# Altium PCB MCP_v2.PcbDoc
Units mil, origin at the board's own origin, x right, y up, seen from the top; angles counter-clockwise.
Board outline 4911.61 x 2569.09 mil, 2 copper layers (Top Layer, Bottom Layer); 91 components, 76 nets, 528 pads, 91 vias.
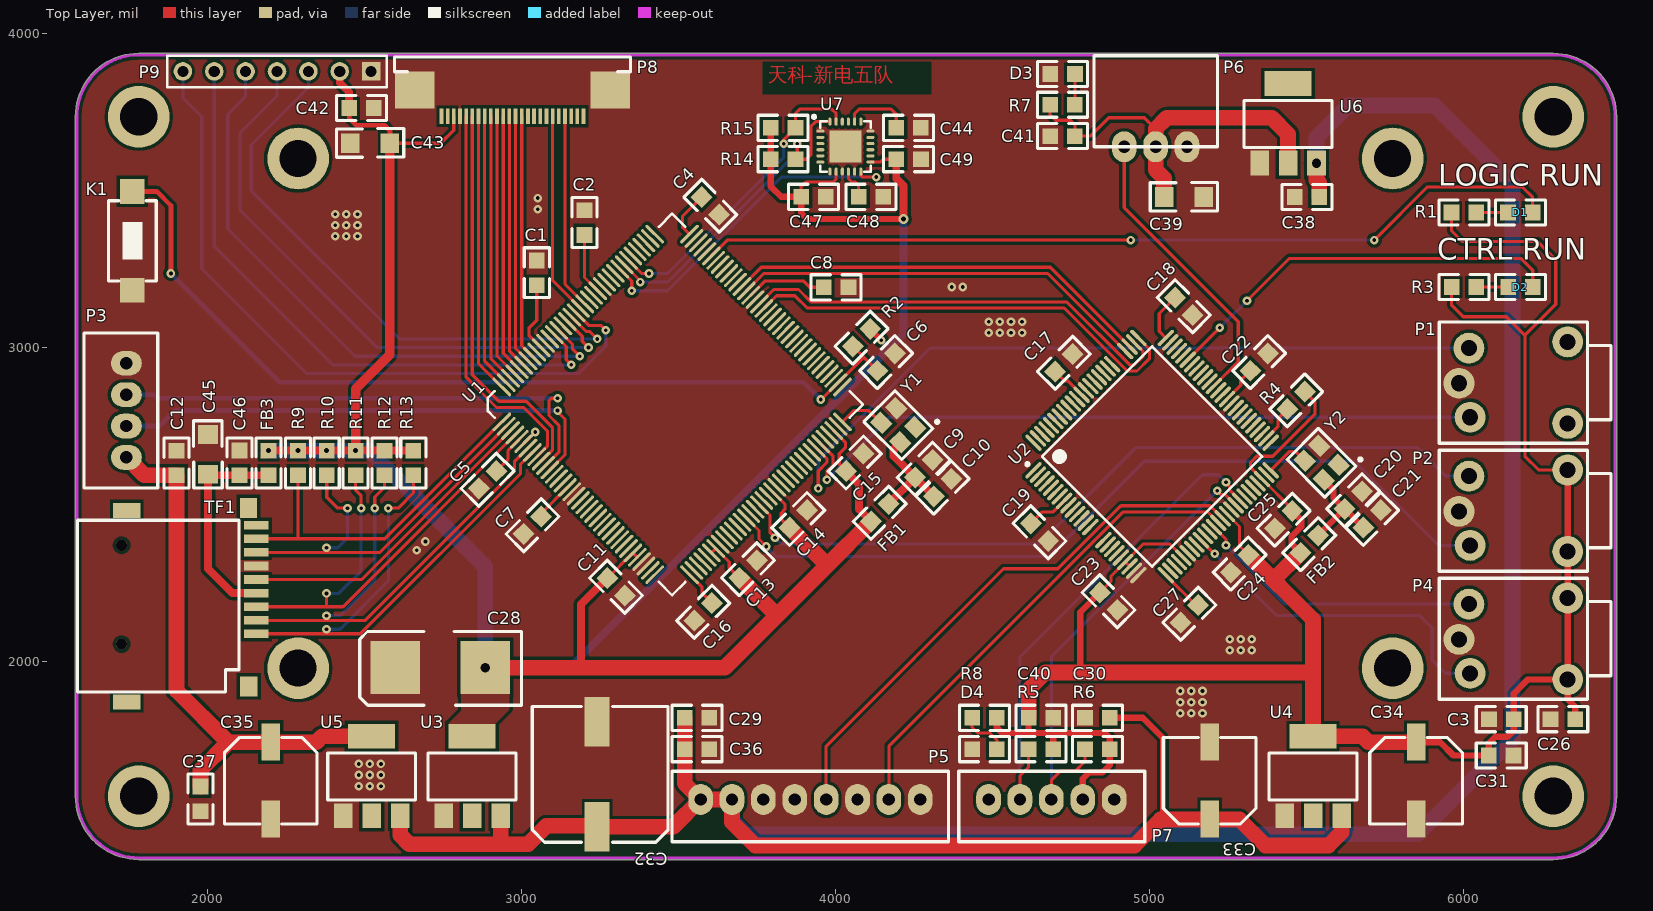
[diagram p0: Top Layer view]
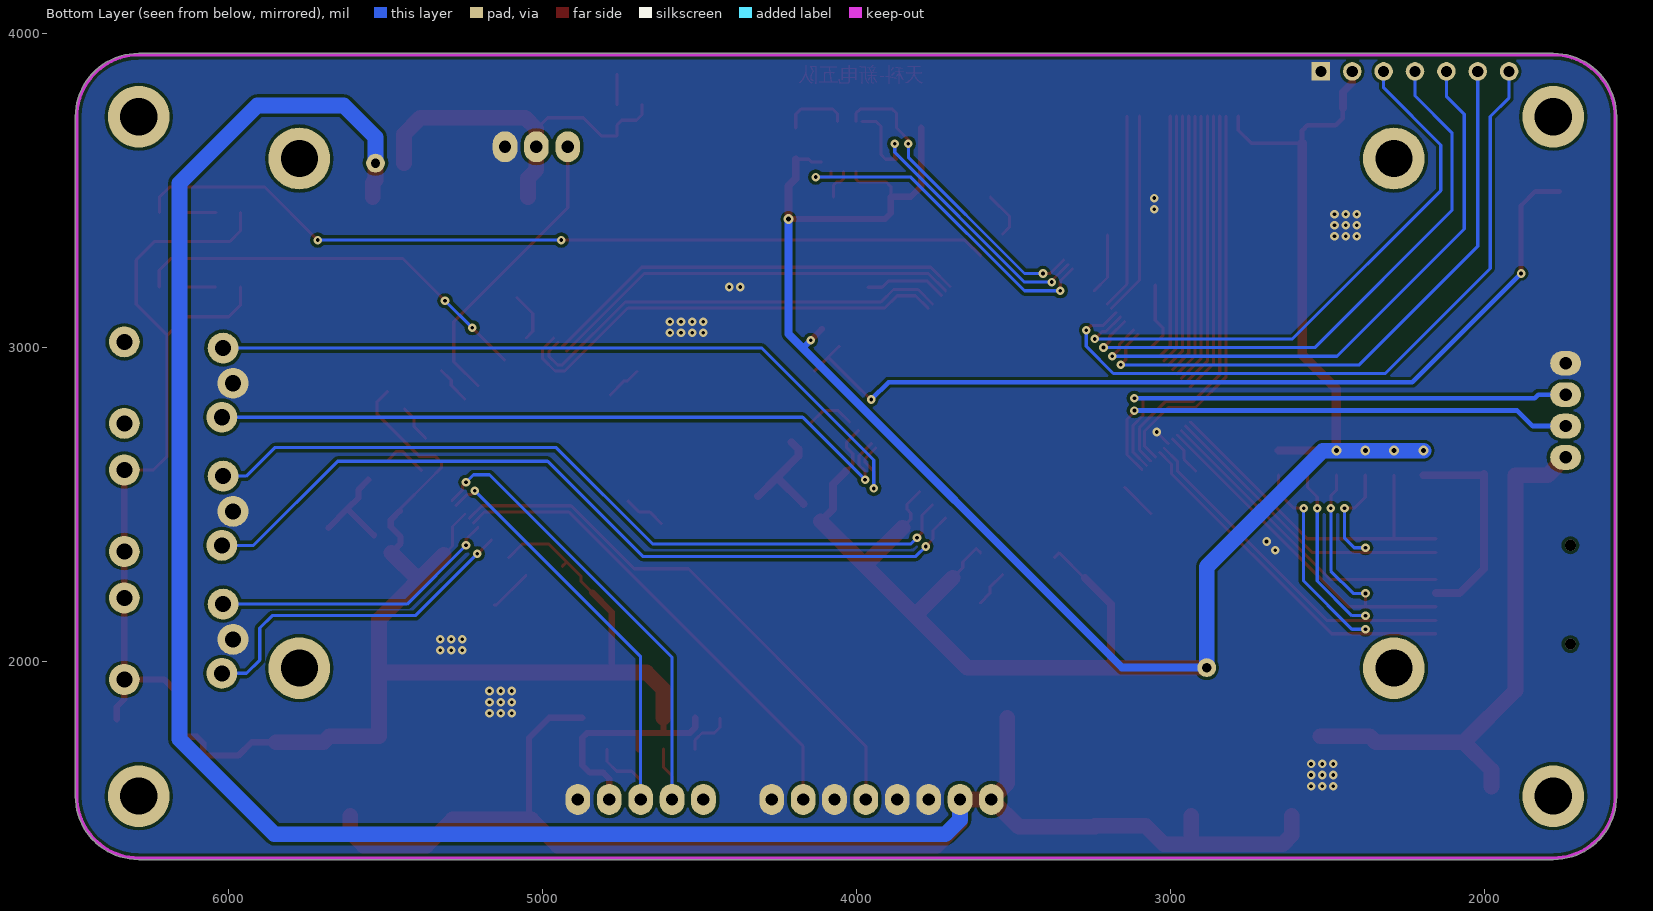
[diagram p1: Bottom Layer view, seen from below]
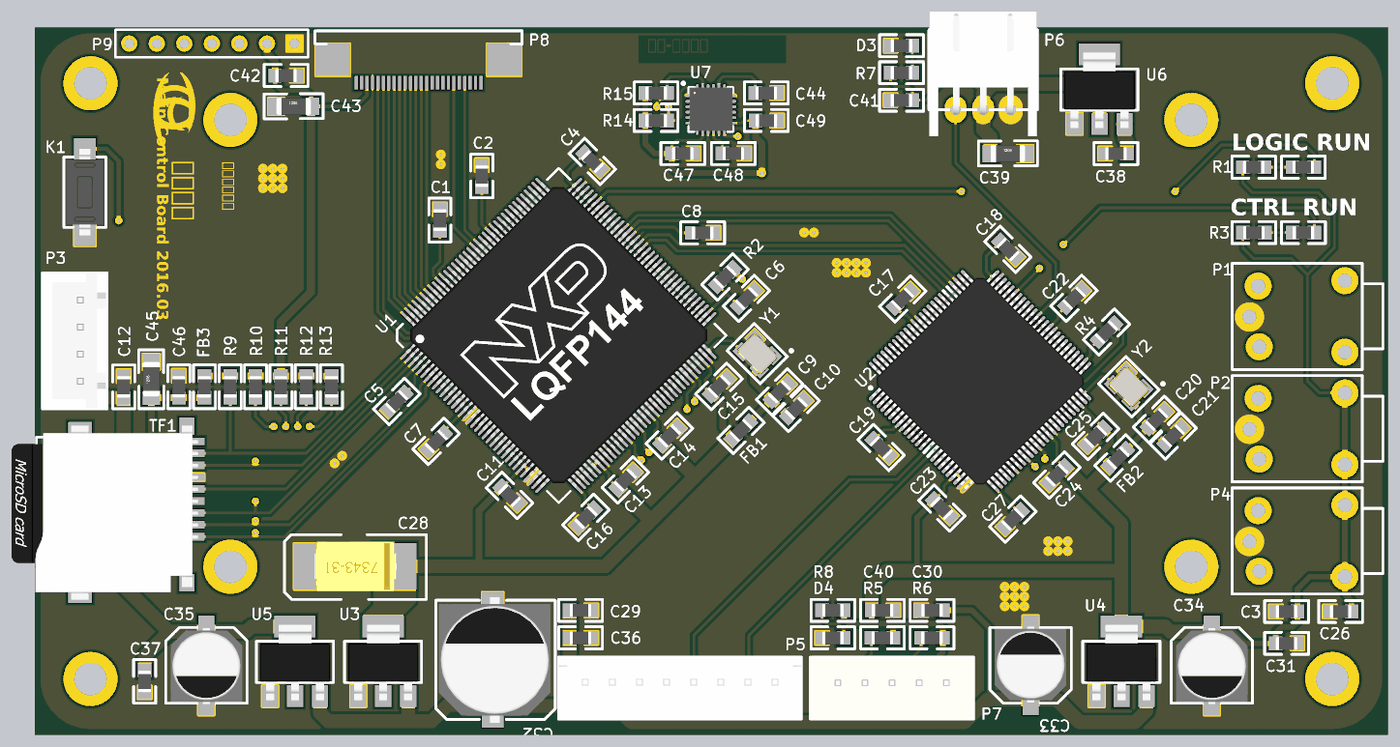
[diagram p2: 3D render of the assembled board from above, using the file's embedded part models]

## Layer stack, top to bottom
Top Layer: signal copper 1.4
Dielectric: dielectric 12.6, FR-4, Dk 4.8
Bottom Layer: signal copper 1.4

## Board outline
1577.5,1570.27 cw(c1582.52,1570.27) 1577.5,1570.38 1577.5,3735.63 cw(c1779.37,3735.63) 1779.37,3937.5 cw(c1779.37,3932.48) 1779.48,3937.49 6287.24,3937.49 6287.24,3937.5 cw(c6287.24,3735.63) 6489.11,3735.63 cw(c6484.09,3735.63) 6489.11,3735.56 6489.11,1570.28 6489.11,1570.27 ccw(c6484.09,1570.27) 6489.11,1570.34 6489.11,1570.27 cw(c6287.24,1570.27) 6287.24,1368.41 cw(c6287.24,1373.42) 6287.14,1368.41 1779.37,1368.41 cw(c1779.37,1570.27)

## Design rules (kind name [scope] priority, off if disabled: settings)
Clearance [All] p1: gap=6
HoleSize [All] p1: absolutevalues=TRUE maxlimit=196.85 minlimit=1 maxpercent=80.000 minpercent=20.000
MinimumSolderMaskSliver [All] p1: minsoldermaskwidth=0
PolygonConnect [All] p1: connectstyle=Direct reliefconductorwidth=10 reliefentries=4 polygonreliefangle="90 Angle"
RoutingVias [All] p1: holewidth=28 width=50 viastyle="Through Hole" minholewidth=28 minwidth=50 maxholewidth=28 maxwidth=50
SilkToSilkClearance [All] p1: silktosilkclearance=6
SilkscreenOverComponentPads [All] p1: minsilkscreentomaskgap=0
SolderMaskExpansion [All] p1: expansion=4
Width [All] p1: maxlimit=100 minlimit=10 preferedwidth=15 minimp=50.000000 maximp=50.000000 favimp=50.000000
24 further rules are at their usual default settings.

## Classes and differential pairs
component class POWER_MOD: C28 C29 C30 C31 C32 C33 C34 C35 C36 C37 C38 C39 L1 U3 U4 U5 U6
component class K60FN_LQFP144: C1 C2 C3 C4 C5 C6 C7 C8 C9 C10 C11 C12 C13 C14 C15 C16 D1 FB1 K1 P1 P2 P3 R1 R2 U1 Y1
component class K60DN_LQFP100: C17 C18 C19 C20 C21 C22 C23 C24 C25 C26 C27 D2 FB2 P4 R3 R4 U2 Y2
component class Pins: C39 C41 C42 C43 C44 C45 C46 C47 C48 C49 D1 D2 FB3 P5 P6 P7 P8 P9 R3 R6 R7 R8 R9 R10 R11 R12 R13 R14 R15 R16 R17 TF1 U7

## Components (designator, comment, footprint, x,y, rotation, side; value= is the part's Value field where it differs from the comment)
C1 "104" 0805 3047.87,3240 r90 top
C2 "104" 0805 3200,3400 r90 top
C3 "104" 0805 6120,1815.75 r180 top
C4 "104" 0805 3600,3452.76 r135 top
C5 "104" 0805 2892.13,2580 r45 top
C6 "104" 0805 4160,2952.76 r225 top
C7 "104" 0805 3035.28,2434.96 r45 top
C8 "104" 0805 4000,3192.13 r180 top
C9 "102" 0805 4280,2612.76 r225 top
C10 "104" 0805 4340,2552.76 r225 top
C11 "104" 0805 3299.21,2238.9 r135 top
C12 "104" 0805 1900,2630.56 r270 top
C13 "104" 0805 3720,2292.76 r225 top
C14 "104" 0805 3880,2452.76 r225 top
C15 "104" 0805 4060,2632.76 r225 top
C16 "104" 0805 3579.21,2158.9 r45 top
C17 "104" 0805 4728.82,2952.76 r45 top
C18 "104" 0805 5108.82,3132.76 r135 top
C19 "104" 0805 4648.82,2412.76 r135 top
C20 "102" 0805 5648.82,2512.76 r225 top
C21 "104" 0805 5708.82,2452.76 r225 top
C22 "104" 0805 5348.82,2952.76 r225 top
C23 "104" 0805 4868.82,2192.76 r135 top
C24 "104" 0805 5288.82,2312.76 r45 top
C25 "104" 0805 5428.82,2452.76 r45 top
C26 "104" 0805 6316.06,1815.75 r180 top
C27 "104" 0805 5128.82,2152.76 r45 top
C28 "100UF" 7343 2740,1980 r180 top
C29 "104" 0805 3560,1820 r0 top
C30 "104" 0805 4832.91,1820 r180 top
C31 "104" 0805 6123,1700 r0 top
C32 "470UF" "tie pian 470uf 10*10.3" 3240,1640 r270 top
C33 "100UF" "tiepian 100uf 6*7" 5192.13,1620 r270 top
C34 "100UF" "tiepian 100uf 6*7" 5850.24,1620 r90 top
C35 "100UF" "tiepian 100uf 6*7" 2200,1620 r90 top
C36 "104" 0805 3560,1720 r0 top
C37 "104" 0805 1976.06,1560 r270 top
C38 "104" 0805 5500.65,3480 r180 top
C39 "10UF" 1206 5109.85,3480 r0 top
C40 "104" 0805 4652.91,1820 r180 top
C41 "104" 0805 4725.04,3673.86 r0 top
C42 "104" 0805 2490.94,3763.62 r0 top
C43 "10UF" 1206 2516.94,3651.5 r0 top
C44 "2.2NF" 0805 4234.34,3700.32 r0 top
C45 "10UF" 1206 2000.32,2660 r90 top
C46 "104" 0805 2100.32,2631 r270 top
C47 "103" 0805 3931.34,3480.32 r0 top
C48 "104" 0805 4111.34,3480.32 r180 top
C49 "104" 0805 4231.34,3600.32 r180 top
D1 "Led" 0805 6183.94,3430.55 r0 top
D2 "Led" 0805 6184.41,3192.91 r0 top
D3 "Led" 0805 4722.04,3872.13 r180 top
D4 "Led" 0805 4472.91,1720 r180 top
FB1 "100Mhz" 0805 4140,2472.76 r225 top
FB2 "100Mhz" 0805 5508.82,2372.76 r225 top
FB3 "100Mhz" 0805 2193.07,2634 r90 top
K1 "SW-PB" 2P按键 1760,3340 r90 top
P1 "DebugPort" PJ-322 6160,2888.19 r270 top
P2 "JTAG" PJ-322 6160,2480 r270 top
P3 "HMIPort" 4P-2.54 1740,2800 r90 top
P4 "JTAG" PJ-322 6160,2072.13 r270 top
P5 "Power&PWM" 8P-2.54 3920,1560 r180 top
P6 "SD-5" 3PIN-2.54mm 5020,3640 r180 top
P7 "Encoder" 5P-2.54 4687.72,1560 r180 top
P8 "Camera" FPC-0.5-24P 2970.39,3737.17 r0 top
P9 "OLED" HDR1X7 2520,3880 r180 top
R1 "470" 0805 6003.94,3430.55 r0 top
R2 "4.7K" 0805 4083.94,3032.76 r45 top
R3 "470" 0805 6004.41,3192.91 r0 top
R4 "4.7K" 0805 5468.82,2832.76 r45 top
R5 "10K" 0805 4655.91,1720 r0 top
R6 "10K" 0805 4835.91,1720 r0 top
R7 "1K" 0805 4725.04,3773.86 r0 top
R8 "1K" 0805 4472.91,1820 r180 top
R9 "10K" 0805 2286.61,2634 r90 top
R10 "10K" 0805 2378.43,2634 r90 top
R11 "10K" 0805 2470.55,2634 r90 top
R12 "10K" 0805 2562.68,2634 r90 top
R13 "10K" 0805 2654.49,2634 r90 top
R14 "4.7K" 0805 3831.34,3600.32 r180 top
R15 "4.7K" 0805 3831.34,3700.32 r180 top
TF1 "TFCard" SD 1940,2180 r90 top
U1 "MK60FNXXXVLQ15" LQFP-144 3479.21,2818.9 r45 top
U2 "MK60DNXXXVLL10" LQFP-100 5008.82,2652.76 r45 top
U3 "LM1117_33V" SOT-223 2840,1640 r0 top
U4 "LM1117_33V" SOT-223 5520,1640 r0 top
U5 "LM1117_5V" SOT-223 2520,1640 r0 top
U6 "LM1117_5V" SOT-223 5440,3720 r0 top
U7 "MPU6050" QFN-24P 4031.34,3640.32 r0 top
Y1 "50.000Mhz" XTAL-3225 4200,2752.76 r135 top
Y2 "50.000Mhz" XTAL-3225 5548.82,2632.76 r135 top

## Footprints (in the part's own frame and the unit in brackets; to place one, negate y for a bottom-side part, rotate by r counter-clockwise, add the part's x,y. Pads: shape width x height; smd on the part's side, far side on the other; paste and mask are expansions set on the pad)
2P按键 [mm]
  rect 2x2 smd: 1(-4,0.028) 2(4,0.028)
  silkscreen extent -3.25,-1.91 3.25,1.96, body extent -4,-1.72 4,1.78, height 4.25
3PIN-2.54mm [mm]
  oval 2x2.5 hole 1: 1(-2.54,0) 2(0,0) 3(2.54,0)
  silkscreen extent -5,-7.37 5,0, body extent -4.95,-9.05 4.95,2.45, height 6.1
4P-2.54 [mm]
  oval 2x2.5 hole 1: 1(-3.81,0) 2(-1.27,0) 3(1.27,0) 4(3.81,0)
  silkscreen extent -6.29,-2.54 6.27,3.43, body extent -6.2,-2.41 6.2,3.34, height 7
5P-2.54 [mm]
  oval 2x2.5 hole 1: 1(-5.08,0) 2(-2.54,0) 3(0,0) 4(2.54,0) 5(5.08,0)
  silkscreen extent -7.56,-2.29 7.49,3.43, body extent -7.49,-2.29 7.41,3.46, height 7
8P-2.54 [mm]
  oval 2x2.5 hole 1: 1(-8.89,0) 2(-6.35,0) 3(-3.81,0) 4(-1.27,0) 5(1.27,0) 6(3.81,0) 7(6.35,0) 8(8.89,0)
  silkscreen extent -11.18,-2.29 11.2,3.43, body extent -11.2,-2.32 11.2,3.43, height 7
0805 [mil]
  rect 50x50 smd: 1(-41.06,0) 2(37.68,0)
  silkscreen extent -81,-40 78,40, body extent -41,-24 38,24, height 20
1206 [mm]
  rect 1.5x1.6 smd: 1(-1.6,0) 2(1.6,0)
  silkscreen extent -2.72,-1.15 2.72,1.17, body extent -1.6,-0.8 1.6,0.8, height 1
7343 [mm]
  rect 4x4.3 smd: 1(-3.65,0) 2(3.65,0)
  silkscreen extent -6.57,-2.92 6.51,3.05, body extent -3.83,-2.29 3.77,2.31, height 3.1
FPC-0.5-24P [mm]
  rect 0.3x1.25 smd: 1(-5.75,0) 2(-5.25,0) 3(-4.75,0) 4(-4.25,0) 5(-3.75,0) 6(-3.25,0) 7(-2.75,0) 8(-2.25,0) 9(-1.75,0) 10(-1.25,0) 11(-0.75,0) 12(-0.25,0) 13(0.25,0) 14(0.75,0) 15(1.25,0) 16(1.75,0) 17(2.25,0) 18(2.75,0) 19(3.25,0) 20(3.75,0) 21(4.25,0) 22(4.75,0) 23(5.25,0) 24(5.75,0)
  rect 3.2x3 smd: 25(7.9,2.125) 26(-7.9,2.125)
  silkscreen extent -9.55,3.6 9.55,4.8
HDR1X7 [mm] "Connector; Header; 7 Position"
  rect 1.5x1.5 hole 0.9: 1(0,0)
  round 1.5 hole 0.9: 2(2.54,0) 3(5.08,0) 4(7.62,0) 5(10.16,0) 6(12.7,0) 7(15.24,0)
  silkscreen extent -1.27,-1.27 16.51,1.27
LQFP-100 [mm] "SQFP, 100-Leads, Body 16.1x16.1mm (max), Pitch 0.50mm, IPC Medium Density"
  oval 1.75x0.3 smd: 1(-7.575,6) 2(-7.575,5.5) 3(-7.575,5) 4(-7.575,4.5) 5(-7.575,4) 6(-7.575,3.5) 7(-7.575,3) 8(-7.575,2.5) 9(-7.575,2) 10(-7.575,1.5) 11(-7.575,1) 12(-7.575,0.5) 13(-7.575,0) 14(-7.575,-0.5) 17(-7.575,-2) 18(-7.575,-2.5) 19(-7.575,-3) 20(-7.575,-3.5) 21(-7.575,-4) 22(-7.575,-4.5) 23(-7.575,-5) 24(-7.575,-5.5) 25(-7.575,-6) 51(7.575,-6) 52(7.575,-5.5) 53(7.575,-5) 54(7.575,-4.5) 55(7.575,-4) 56(7.575,-3.5) 57(7.575,-3) 58(7.575,-2.5) 59(7.575,-2) 60(7.575,-1.5) 61(7.575,-1) 62(7.575,-0.5) 63(7.575,0) 64(7.575,0.5) 65(7.575,1) 66(7.575,1.5) 67(7.575,2) 68(7.575,2.5) 69(7.575,3) 70(7.575,3.5) 71(7.575,4) 72(7.575,4.5) 73(7.575,5) 74(7.575,5.5) 75(7.575,6)
  oval 1.75x0.3 on Top Overlay: 15(-7.575,-1) 16(-7.575,-1.5)
  oval 0.3x1.75 smd: 26(-6,-7.575) 27(-5.5,-7.575) 28(-5,-7.575) 29(-4.5,-7.575) 30(-4,-7.575) 31(-3.5,-7.575) 32(-3,-7.575) 33(-2.5,-7.575) 34(-2,-7.575) 35(-1.5,-7.575) 36(-1,-7.575) 37(-0.5,-7.575) 38(0,-7.575) 39(0.5,-7.575) 40(1,-7.575) 41(1.5,-7.575) 42(2,-7.575) 43(2.5,-7.575) 44(3,-7.575) 45(3.5,-7.575) 46(4,-7.575) 47(4.5,-7.575) 48(5,-7.575) 49(5.5,-7.575) 50(6,-7.575) 76(6,7.575) 77(5.5,7.575) 78(5,7.575) 79(4.5,7.575) 82(3,7.575) 83(2.5,7.575) 84(2,7.575) 85(1.5,7.575) 86(1,7.575) 87(0.5,7.575) 88(0,7.575) 89(-0.5,7.575) 90(-1,7.575) 91(-1.5,7.575) 92(-2,7.575) 93(-2.5,7.575) 94(-3,7.575) 95(-3.5,7.575) 96(-4,7.575) 97(-4.5,7.575) 98(-5,7.575) 99(-5.5,7.575) 100(-6,7.575)
  oval 0.3x1.75 on Top Overlay: 80(4,7.575) 81(3.5,7.575)
  silkscreen extent -7.7,-6.3 6.3,6.82, body extent -14.13,-14.13 14.13,14.13, height 1.6
LQFP-144 [mil]
  oval 80x10 smd: 1(-423.07,344.49) 2(-423.07,324.8) 3(-423.07,305.12) 4(-423.07,285.43) 5(-423.07,265.75) 6(-423.07,246.06) 7(-423.07,226.38) 8(-423.07,206.69) 9(-423.07,187.01) 10(-423.07,167.32) 11(-423.07,147.64) 12(-423.07,127.95) 13(-423.07,108.27) 14(-423.07,88.58) 15(-423.07,68.9) 16(-423.07,49.21) 17(-423.07,29.53) 18(-423.07,9.84) 19(-423.07,-9.84) 20(-423.07,-29.53) 21(-423.07,-49.21) 22(-423.07,-68.9) 23(-423.07,-88.58) 24(-423.07,-108.27) 25(-423.07,-127.95) 26(-423.07,-147.64) 27(-423.07,-167.32) 28(-423.07,-187.01) 29(-423.07,-206.69) 30(-423.07,-226.38) 31(-423.07,-246.06) 32(-423.07,-265.75) 33(-423.07,-285.43) 34(-423.07,-305.12) 35(-423.07,-324.8) 36(-423.07,-344.49) 73(423.07,-344.49) 74(423.07,-324.8) 75(423.07,-305.12) 76(423.07,-285.43) 77(423.07,-265.75) 78(423.07,-246.06) 79(423.07,-226.38) 80(423.07,-206.69) 81(423.07,-187.01) 82(423.07,-167.32) 83(423.07,-147.64) 84(423.07,-127.95) 85(423.07,-108.27) 86(423.07,-88.58) 87(423.07,-68.9) 88(423.07,-49.21) 89(423.07,-29.53) 90(423.07,-9.84) 91(423.07,9.84) 92(423.07,29.53) 93(423.07,49.21) 94(423.07,68.9) 95(423.07,88.58) 96(423.07,108.27) 97(423.07,127.95) 98(423.07,147.64) 99(423.07,167.32) 100(423.07,187.01) 101(423.07,206.69) 102(423.07,226.38) 103(423.07,246.06) 104(423.07,265.75) 105(423.07,285.43) 106(423.07,305.12) 107(423.07,324.8) 108(423.07,344.49)
  oval 10x80 smd: 37(-344.49,-423.07) 38(-324.8,-423.07) 39(-305.12,-423.07) 40(-285.43,-423.07) 41(-265.75,-423.07) 42(-246.06,-423.07) 43(-226.38,-423.07) 44(-206.69,-423.07) 45(-187.01,-423.07) 46(-167.32,-423.07) 47(-147.64,-423.07) 48(-127.95,-423.07) 49(-108.27,-423.07) 50(-88.58,-423.07) 51(-68.9,-423.07) 52(-49.21,-423.07) 53(-29.53,-423.07) 54(-9.84,-423.07) 55(9.84,-423.07) 56(29.53,-423.07) 57(49.21,-423.07) 58(68.9,-423.07) 59(88.58,-423.07) 60(108.27,-423.07) 61(127.95,-423.07) 62(147.64,-423.07) 63(167.32,-423.07) 64(187.01,-423.07) 65(206.69,-423.07) 66(226.38,-423.07) 67(246.06,-423.07) 68(265.75,-423.07) 69(285.43,-423.07) 70(305.12,-423.07) 71(324.8,-423.07) 72(344.49,-423.07) 109(344.49,423.07) 110(324.8,423.07) 111(305.12,423.07) 112(285.43,423.07) 113(265.75,423.07) 114(246.06,423.07) 115(226.38,423.07) 116(206.69,423.07) 117(187.01,423.07) 118(167.32,423.07) 119(147.64,423.07) 120(127.95,423.07) 121(108.27,423.07) 122(88.58,423.07) 123(68.9,423.07) 124(49.21,423.07) 125(29.53,423.07) 126(9.84,423.07) 127(-9.84,423.07) 128(-29.53,423.07) 129(-49.21,423.07) 130(-68.9,423.07) 131(-88.58,423.07) 132(-108.27,423.07) 133(-127.95,423.07) 134(-147.64,423.07) 135(-167.32,423.07) 136(-187.01,423.07) 137(-206.69,423.07) 138(-226.38,423.07) 139(-246.06,423.07) 140(-265.75,423.07) 141(-285.43,423.07) 142(-305.12,423.07) 143(-324.8,423.07) 144(-344.49,423.07)
  silkscreen extent -430,-430 430,430, body extent -785,-785 787,787, height 63
PJ-322 [mm]
  round 2.5 hole 1.3 paste+0: 1(0.05,-4.4) 2(2.8,-3.5) 4(-2.8,-3.6)
  round 2.5 hole 1.3: 3(-3.3,4.4) 3(3.3,4.4)
  silkscreen extent -4.9,-6 4.9,7.9
QFN-24P [mm] "QFN, 24-Leads, Body 4.1x4.1mm (max), Pitch 0.50mm, IPC Medium Density"
  oval 0.65x0.25 smd: 1(-2.025,1.25) 2(-2.025,0.75) 3(-2.025,0.25) 4(-2.025,-0.25) 5(-2.025,-0.75) 6(-2.025,-1.25) 13(2.025,-1.25) 14(2.025,-0.75) 15(2.025,-0.25) 16(2.025,0.25) 17(2.025,0.75) 18(2.025,1.25)
  oval 0.25x0.65 smd: 7(-1.25,-2.025) 8(-0.75,-2.025) 9(-0.25,-2.025) 10(0.25,-2.025) 11(0.75,-2.025) 12(1.25,-2.025) 19(1.25,2.025) 20(0.75,2.025) 21(0.25,2.025) 22(-0.25,2.025) 23(-0.75,2.025) 24(-1.25,2.025)
  rect 2.6x2.6 smd: 18(0,0)
  silkscreen extent -2.66,-2.05 2.05,2.54, body extent -2,-1.97 2,2.03, height 0.9
SD [mm]
  rect 0.7x2 smd: 1(-2.35,-5.431) 2(-1.25,-5.431) 3(-0.15,-5.431) 4(0.95,-5.431) 5(2.05,-5.431) 6(3.15,-5.431) 7(4.25,-5.431) 8(5.35,-5.431) 9(6.45,-5.431)
  rect 1.2x2.2 smd: ""(-7.85,5.05) ""(7.65,5.05)
  rect 1.6x1.4 smd: ""(-6.604,-4.826) ""(7.85,-4.804)
  silkscreen extent -7.05,-4.05 6.85,9.05, body extent -8.18,-5.84 7.92,11.36, height 2.2
SOT-223 [mil]
  rect 59x79 smd: 1(-88.39,-132.2) 2(2.17,-132.2) 3(92.72,-132.2)
  rect 150x79 smd: 4(1.5,121.34)
  silkscreen extent -138,-82 142,68, body extent -126,-147 130,127, height 67
"tie pian 470uf 10*10.3" [mm]
  rect 4x2 smd: 1(4.25,0) 2(-4.25,0)
  silkscreen extent -5.5,-5.25 5.5,5.75, body extent -5.8,-4.97 5.8,5.33, height 10.21
"tiepian 100uf 6*7" [mm]
  rect 3x1.5 smd: 1(3.111,0) 2(-3.111,0)
  silkscreen extent -3.5,-3.75 3.5,3.75, body extent -3.57,-3.3 3.43,3.3, height 5.41
XTAL-3225 [mm]
  rect 1.4x1.2 smd: 1(-1.1,-0.85) 2(1.1,-0.85) 3(1.1,0.85) 4(-1.1,0.85)
  silkscreen extent -2.16,-2.54 2.16,1.78, body extent -2.65,-2.63 2.65,2.67, height 0.6

## Part data
C1 C2 C3 C4 C5 C6 C7 C8 C9 C10 C11 C12 C13 C14 C15 C16 C17 C18 C19 C20 C21 C22 C23 C24 C25 C26 C27 C29 C30 C31 C36 C37 C38 C39 C40 C41 C42 C43 C44 C45 C46 C47 C48 C49: library part Cap
C28 C32 C33 C34 C35: library part "Cap Pol1"
FB1 FB2 FB3: library part Inductor
P1 P2 P3 P4: library part "Header 4", "Header, 4-Pin"
P5: library part "Header 8", "Header, 8-Pin"
P6: library part "Header 3", "Header, 3-Pin"
P7: library part "Header 5", "Header, 5-Pin"
P8: library part "野火鹰眼 排线"
P9: library part "Header 7", "Header, 7-Pin"
R1 R2 R3 R4 R5 R6 R7 R8 R9 R10 R11 R12 R13 R14 R15: library part Rest
TF1: library part SD卡
U1: library part K60
U2: library part K60_100PIN
U3 U4: library part LM1117_5V
Y1 Y2: library part 有源晶振

## Free pads (board coordinates)
  round 196.85 hole 118.11: 0(1779.37,1570.27) 1(6287.24,1570.27) 2(6287.24,3735.63) 3(1779.37,3735.63) 4(2287.4,3602.36) 5(5775.59,3602.36) 6(5775.59,1978.35) 7(2287.4,1978.35)
  round 60 hole 30: 0(2883.7,1980) 2(5532.72,3587.8)

## Via types
v1: diameter 27.56, hole 11.81, Top Layer to Bottom Layer, 84 vias
v2: diameter 31.5, hole 15.75, Top Layer to Bottom Layer, 5 vias
v3: diameter 35.43, hole 35.43, Top Layer to Bottom Layer, 2 vias

## Nets (pads, with @x,y where several pads share a name; then routed paths per layer and width w, separated by ;. In a path a pad name is that pad's centre, name@x,y a point inside that pad or via, vN(x,y) a via of type N, cw(c..) or ccw(c..) an arc to the next point about the centre after c; other vN are vias at no path point)
3.3V_DN: C3.1 C23.2 C24.2 C25.2 C26.1 C31.1 C34.1 C40.2 FB2.2 P2.3 P4.3 P7.2 R1.1 R3.1 R4.2 R5.2 R6.2 R8.1 U2.22 U2.23 U2.30 U2.40 U2.48 U4.4 | length 7527.9
  Top Layer w10: C23.2 4877.95,2255.17 4877.95,2271.34 U2.22 ; U2.23 U2.22 ; U2.30 5064.85,2374.02 4980.63,2374.02 U2.22 ; U2.40 5287.4,2429.85 5287.4,2367.46 C24.2 ; C25.2 5455.46,2484.5 U2.48 5322.83,2617.13 5322.83,2633.86 5342.52,2653.54 5393.7,2653.54 5527.56,2787.4 5527.56,2827.3 R4.2 ; R1.1 5962.87,3371.77 5996.06,3338.58 6236.22,3338.58 6295.28,3279.53 6295.28,3137.8 6196.85,3039.37 ; R3.1 5963.35,3135.08 6000,3098.43 6137.8,3098.43 6196.85,3039.37 ; P2.3@6333.23,2609.92 6240.47,2609.92 6196.85,2653.54 6196.85,3039.37
  Top Layer w20: R8.1 4513.97,1789.18 4531.5,1771.65 4858.27,1771.65 4873.58,1756.34 R6.2 4873.58,1668.86 4850.39,1645.67 4807.09,1645.67 4787.72,1626.3 P7.2 ; 4615.23,1774.54 C40.2 ; R5.2 4693.58,1770.98 ; 4779.53,1964.57 4779.53,2156.75 C23.2 ; C25.2 5484.25,2450.61 5484.25,2429.13 5452.76,2397.64 5452.76,2375.54 FB2.2 ; C34.1 5926.79,1742.5 5969.29,1700 C31.1 6081.94,1739.42 6102.36,1759.84 6141.73,1759.84 6161.06,1779.17 C3.1 6161.06,1897.28 6205.98,1942.2 P4.3@6333.23,1942.2 ; P2.3@6333.23,2609.92 6333.23,2350.08 6333.23,2202.05 P4.3@6333.23,1942.2 ; C26.1 6357.13,1855.47 6333.23,1879.37 P4.3@6333.23,1942.2
  Top Layer w50: C40.2 4615.23,1910.5 4669.29,1964.57 4779.53,1964.57 5521.5,1964.57 ; C24.2 5521.5,2133.36 5521.5,1964.57 ; 5395.83,2259.77 FB2.2 ; C34.1 5698.44,1742.5 5679.61,1761.34 U4.4 5521.5,1964.57
3.3V_FN: C11.2 C13.2 C14.2 C15.2 C28.1 C42.1 C43.2 C47.1 C49.2 FB1.2 FB3.2 P8.3 P9.2 pad.0@2883.7,1980 R2.2 R9.2 R10.2 R11.2 R12.2 R13.2 R14.2 R15.2 U1.31 U1.32 U1.42 U1.43 U1.56 U1.70 U3.4 U7.8 U7.13 | length 9501
  Top Layer w10: C11.2@3273.84,2265.54 U1.31 U1.32 ; U1.42 U1.43 3661.42,2316.55 3661.42,2298.05 C13.2 ; U1.56 3838.58,2501.28 3838.58,2484.25 3826.77,2472.44 3826.77,2452.7 C14.2 ; C47.1 3890.28,3512.32 3905.51,3527.56 3992.13,3527.56 4001.81,3537.24 U7.8 ; U1.70 4031.5,2698.11 4031.5,2681.1 4011.81,2661.42 4011.81,2627.66 C15.2 ; U7.13 4142.28,3591.1 4151.5,3600.31 C49.2
  Top Layer w12: C43.2 2742.05,3651.5 2783.39,3692.83 P8.3
  Top Layer w15: C42.1 2449.87,3731.23 2472.44,3708.66 2562.99,3708.66 2579.93,3691.72 C43.2
  Top Layer w20: R15.2 R14.2 3793.66,3513.43 3826.77,3480.32 C47.1 3890.28,3428.62 3909.45,3409.45 v2(4216.54,3409.45) ; R2.2 4110.58,3058.71 v1(4145.67,3023.62)
  Top Layer w25: v2(2193.07,2671.68) v2(2470.55,2671.68) R12.2 R13.2 ; P9.2 2420,3843.78 2449.87,3813.91 C42.1 ; 3188.98,1980 3188.98,2181.95 C11.2 ; C15.2 4074.8,2564.67 4074.8,2484.67 FB1.2 ; C49.2 4193.66,3538.62 4216.54,3515.75 v2(4216.54,3409.45)
  Top Layer w30: v2(2470.55,2671.68) 2470.55,2868.19 2579.93,2977.57 C43.2 ; C13.2@3693.36,2263.33 C13.2
  Top Layer w50: C28.1 3188.98,1980 3647.24,1980 3973.36,2306.11 ; C13.2 3812.73,2146.74 ; C14.2 3973.36,2306.11 ; FB1.2 3973.36,2306.11
  Bottom Layer w20: v1(4145.67,3023.62) 4171.26,2998.03
  Bottom Layer w25: pad.0@2883.7,1980 3153.23,1980 4216.54,3043.31 v2(4216.54,3409.45)
  Bottom Layer w50: v2(2193.07,2671.68) 2513.36,2671.68 2883.7,2301.34 pad.0@2883.7,1980
  other v2: 2286.61,2671.68 2378.43,2671.68
5V: C12.2 C35.1 C37.1 P3.1 U5.4 | length 1745
  Top Layer w50: P3.1 1797.12,2592.88 C12.2 1900,1907.09 2064.59,1742.5 ; C37.1 1976.06,1653.98 2064.59,1742.5 ; U5.4 2363.7,1761.34 2344.86,1742.5 C35.1 2064.59,1742.5
7.4V: C29.1 C30.1 C32.1 C33.1 C36.1 C38.1 P5.7 P5.8 pad.2@5532.72,3587.8 U3.3 U4.3 U5.3 U6.3 | length 9634.9
  Top Layer w20: C30.1 4979.21,1820 5043.31,1755.91 5043.31,1496.06
  Top Layer w50: U5.3 2612.72,1446.34 2641.73,1417.32 3019.68,1417.32 3078.74,1476.38 C32.1@3240,1476.38 ; 2932.72,1417.68 U3.3 ; C32.1 3482.68,1472.68 P5.8 ; C29.1 C36.1 3518.94,1611.06 P5.8 ; U6.3 5532.72,3534.21 5541.72,3525.21 C38.1 ; U4.3 5612.72,1455.24 5570.9,1413.42 5370.04,1413.42 5287.4,1496.06 5035.43,1496.06 4952.79,1413.42 3744.06,1413.42 3670,1487.48 P5.7 P5.8
  Bottom Layer w50: P5.7 3670,1495.35 3716.54,1448.82 5854.33,1448.82 6157.48,1751.97 6157.48,3523.62 5909.45,3771.65 5633.86,3771.65 5532.72,3670.51 pad.2@5532.72,3587.8
D0: P8.14 U1.137 | length 779.3
  Top Layer w10: P8.14 2999.92,3005.88 U1.137
D1: P8.13 U1.138 | length 795.6
  Top Layer w10: P8.13 2980.24,2997.73 U1.138
D2: P8.12 U1.139 | length 812
  Top Layer w10: P8.12 2960.55,2989.57 U1.139
D3: P8.11 U1.140 | length 828.3
  Top Layer w10: P8.11 2940.87,2981.42 U1.140
D4: P8.10 U1.141 | length 844.6
  Top Layer w10: P8.10 2921.18,2973.27 U1.141
D5: P8.9 U1.142 | length 860.9
  Top Layer w10: P8.9 2901.5,2965.11 U1.142
D6: P8.8 U1.143 | length 877.2
  Top Layer w10: P8.8 2881.81,2956.96 U1.143
D7: P8.7 U1.144 | length 893.5
  Top Layer w10: P8.7 2862.13,2948.8 U1.144
DEBUG_RX: P1.2 U1.67 | length 2271.9
  Top Layer w10: U1.67 3992.13,2653.97 3992.13,2625.98 3972.44,2606.3 v1(3972.44,2578.74)
  Bottom Layer w10: v1(3972.44,2578.74) 4171.65,2777.95 P1.2
DEBUG_TX: P1.4 U1.66 | length 2466.2
  Top Layer w10: U1.66 3972.94,2645.32 3972.94,2634.36 3944.88,2606.3 v1(3944.88,2551.18)
  Bottom Layer w10: v1(3944.88,2551.18) 3944.88,2641.73 4301.57,2998.43 P1.4
DJ_5V: C39.1 C41.2 P6.2 R7.1 U6.2 | length 1235
  Top Layer w10: R7.1 4683.98,3741.22 4700.79,3724.41 4748.03,3724.41 4762.72,3709.72 C41.2 4811.65,3673.86 4870.08,3732.28 4984.25,3732.28 5020,3696.54
  Top Layer w50: C39.1 5046.86,3539.76 5020,3566.61 P6.2 5020,3696.54 5055.75,3732.28 5389.76,3732.28 5442.17,3679.88 U6.2
DJ_PWM: P6.3 U2.64 | length 945.2
  Top Layer w10: P6.3 4920,3446.14 5283.46,3082.68 5283.46,2955.24 U2.64
GND: C1.2 C2.2 C3.2 C4.1 C5.1 C6.1 C7.1 C8.1 C9.1 C10.1 C11.1 C12.1 C13.1 C14.1 C15.1 C16.1 C17.2 C18.1 C19.1 C20.1 C21.1 C22.1 C23.1 C24.1 C25.1 C26.2 C27.1 C28.2 C29.2 C30.2 C31.2 C32.2 C33.2 C34.2 C35.2 C36.2 C37.2 C38.2 C39.2 C40.1 C41.1 C42.2 C43.1 C44.2 C45.2 C46.1 C47.2 C48.1 C49.1 D3.2 D4.2 K1.1 P1.1 P2.1 P3.4 P4.1 P5.1 P5.3 P5.5 P5.6 P6.1 P7.1 P8.4 P8.25 P8.26 P9.1 TF1.6 U1.6 U1.17 U1.18 U1.33 U1.34 U1.44 U1.57 U1.71 U1.93 U1.107 U1.121 U1.134 U2.9 U2.24 U2.25 U2.31 U2.41 U2.60 U2.74 U2.88 U3.1 U4.1 U5.1 U6.1 U7.1 U7.9 U7.11 U7.18 Y1.2 Y2.2 | length 52.7
  Top Layer w10: U1.6 v1(3043.31,2730.98)
  other v1: 2480.32,1602.36 2515.75,1602.36 2551.18,1602.36 2480.32,1637.8 2515.75,1637.8 2551.18,1637.8 2480.32,1673.23 2515.75,1673.23 2551.18,1673.23 5098.43,1834.65 5133.86,1834.65 5169.29,1834.65 5098.43,1870.08 5133.86,1870.08 5169.29,1870.08 5098.43,1905.51 5133.86,1905.51 5169.29,1905.51 5255.91,2035.43 5291.34,2035.43 5326.77,2035.43 5255.91,2070.87 5291.34,2070.87 5326.77,2070.87 2665.35,2354.33 2692.91,2381.89 4488.19,3047.24 4523.62,3047.24 4559.06,3047.24 4594.49,3047.24 4488.19,3082.68 4523.62,3082.68 4559.06,3082.68 4594.49,3082.68 4370.08,3192.91 4405.51,3192.91 2405.51,3354.33 2440.94,3354.33 2476.38,3354.33 2405.51,3389.76 2440.94,3389.76 2476.38,3389.76 2405.51,3425.2 2440.94,3425.2 2476.38,3425.2 3051.18,3440.94 3051.18,3476.38
HMI_RX: P3.2 U1.12 | length 1603.8
  Top Layer w10: U1.12 3137.8,2658.43 3137.8,2771.65 v1@3118.11,2791.34
  Bottom Layer w15: P3.2 1844.49,2750 1893.7,2799.21 v1(3114.17,2799.21)
HMI_TX: P3.3 U1.11 | length 1639
  Top Layer w10: U1.11 3118.11,2666.59 3118.11,2751.97 3086.61,2783.46 3086.61,2830.71 3094.49,2838.58 v1(3114.17,2838.58)
  Bottom Layer w15: P3.3 1827.17,2850 1838.58,2838.58 v1@3106.3,2838.58
LCD_DC: P9.6 U1.132 | length 1970.4
  Top Layer w10: U1.132 3141.73,3003.26 3141.73,2960.63 v1(3157.48,2944.88)
  Bottom Layer w10: P9.6 2020,3322.52 2397.64,2944.88 v1(3157.48,2944.88)
LCD_PCS0: P9.7 U1.127 | length 2283.9
  Top Layer w10: U1.127 3213.32,3070.87 3251.97,3070.87 v1(3267.72,3055.12)
  Bottom Layer w10: P9.7 1920,3796.54 1980.32,3736.22 1980.32,3251.97 2314.96,2917.32 3181.1,2917.32 3267.72,3003.94 v1(3267.72,3055.12)
LCD_RST: P9.5 U1.131 | length 1926.7
  Top Layer w10: U1.131 3161.42,3011.42 3161.42,2996.06 v1(3185.04,2972.44)
  Bottom Layer w10: P9.5 2120,3801.1 2062.99,3744.09 2062.99,3377.95 2468.5,2972.44 v1(3185.04,2972.44)
LCD_SCLK: P9.3 U1.128 | length 1863.3
  Top Layer w10: U1.128 3205.17,3051.18 3216.54,3051.18 v1(3240.16,3027.56)
  Bottom Layer w10: P9.3 2320,3827.87 2137.8,3645.67 2137.8,3500 2610.24,3027.56 v1(3240.16,3027.56)
LCD_SOUT: P9.4 U1.129 | length 1894.1
  Top Layer w10: U1.129 3192.91,3035.6 3192.91,3019.68 v1(3212.6,3000)
  Bottom Layer w10: P9.4 2220,3802.68 2102.36,3685.04 2102.36,3437.01 2539.37,3000 v1(3212.6,3000)
MCU_MISO: U1.96 U2.78 | length 1365.5
  Top Layer w10: U1.96 3763.11,3255.91 4684.06,3255.91 U2.78
MCU_MOSI: U1.95 U2.79 | length 1332.9
  Top Layer w10: U1.95 3771.26,3236.22 4675.9,3236.22 U2.79
MCU_PCS: U1.91 U2.76 | length 1441.7
  Top Layer w10: U1.91 3811.75,3165.35 3870.08,3165.35 3909.45,3125.98 4728.35,3125.98 4929.13,2925.2 4960.63,2925.2 5000,2964.57 5000,2995.64 U2.76
MCU_SCK: U1.92 U2.77 | length 1409.2
  Top Layer w10: U1.92 3803.6,3185.04 3881.89,3185.04 3921.26,3145.67 4736.22,3145.67 4937.01,2944.88 4952.76,2944.88 4980.31,2972.44 4980.31,2987.49 U2.77
MPU_INT: U1.117 U7.12 | length 1077.6
  Top Layer w10: U1.117 3350.39,3212.18 v1(3350.39,3181.1) ; U7.12 4080.55,3549.37 4086.61,3543.31 v1(4129.92,3543.31)
  Bottom Layer w10: v1(3350.39,3181.1) 3464.57,3181.1 3826.77,3543.31 v1(4129.92,3543.31)
MPU_SCL: R15.1 U1.115 U7.23 | length 987.7
  Top Layer w10: U1.115 3382.04,3236.22 v1(3405.51,3236.22) ; v1(3834.65,3649.61) 3834.65,3662.56 R15.1 3872.4,3746.42 3885.83,3759.84 3988.19,3759.84 4001.81,3746.22 U7.23
  Bottom Layer w10: v1(3405.51,3236.22) 3464.57,3236.22 3834.65,3606.3 v1(3834.65,3649.61)
MPU_SDA: R14.1 U1.116 U7.24 | length 1030.8
  Top Layer w10: U1.116 v1@3379.85,3210.56 ; R14.1 3907.4,3600.31 3921.26,3614.17 3921.26,3704.72 3936.57,3720.04 U7.24 ; R14.1@3877.95,3605.87 v1(3877.95,3649.61)
  Bottom Layer w10: v1(3377.95,3208.66) 3464.57,3208.66 3877.95,3622.05 v1(3877.95,3649.61)
NetC1_1: C1.1 U1.135 | length 225
  Top Layer w10: C1.1 3047.87,3087.24 3023.62,3062.99 3023.62,3037.86 U1.135
NetC2_1: C2.1 U1.122 | length 195.9
  Top Layer w10: C2.1 3200,3223.38 U1.122
NetC4_2: C4.2 U1.108 | length 152.8
  Top Layer w10: U1.108 3511.81,3384.61 3511.81,3417.85 C4.2
NetC5_2: C5.2 U1.5 | length 131.4
  Top Layer w10: C5.2 2956.69,2644.57 2956.69,2672.2 U1.5
NetC7_2: C7.2 U1.16 | length 117.9
  Top Layer w10: C7.2@3061.92,2471.2 U1.16
NetC8_2: C8.2 U1.94 | length 260.1
  Top Layer w10: U1.94 3775.48,3212.6 3897.64,3212.6 3918.11,3192.13 C8.2
NetC9_2: C9.2 C10.2 FB1.1 Y1.4 | length 353.8
  Top Layer w25: FB1.1 C9.2 ; Y1.4 4185.04,2676.55 4185.04,2654.43 C9.2 ; C10.2 C9.2
NetC16_2: C16.2 U1.37 | length 120.1
  Top Layer w10: U1.37 3574.8,2236.13 3574.8,2216.59 C16.2
NetC17_1: C17.1 U2.89 | length 114.9
  Top Layer w10: C17.1 4729.8,2893.7 4740.04,2893.7 U2.89
NetC18_2: C18.2 U2.75 | length 158.5
  Top Layer w10: U2.75 5031.5,3051.84 5031.5,3108.72 C18.2
NetC19_2: C19.2 U2.8 | length 136
  Top Layer w10: C19.2 4659.16,2476.38 4693.25,2476.38 U2.8
NetC20_2: C20.2 C21.2 FB2.1 Y2.4 | length 324
  Top Layer w20: FB2.1 C20.2 ; Y2.4 5586.61,2547.63 5586.61,2521.68 C20.2 ; C21.2 C20.2
NetC22_2: C22.2 U2.61 | length 121.2
  Top Layer w10: U2.61 5291.34,2879.6 5291.34,2895.28 C22.2
NetC27_2: C27.2 U2.26 | length 142.3
  Top Layer w10: U2.26 5148.11,2179.4 C27.2
NetC44_1: C44.1 U7.20 | length 214.1
  Top Layer w10: U7.20 4060.87,3745.91 4074.8,3759.84 4177.17,3759.84 4193.28,3743.73 C44.1
NetC48_2: C48.2 U7.10 | length 100.6
  Top Layer w10: U7.10 4041.18,3537.56 4051.18,3527.56 4062.99,3527.56 4073.66,3516.89 C48.2
NetD1_1: D1.1 R1.2 | length 101.3
  Top Layer w10: R1.2 D1.1
NetD2_1: D2.1 R3.2 | length 101.3
  Top Layer w10: R3.2 D2.1
NetD3_1: D3.1 R7.2 | length 97.9
  Top Layer w10: R7.2 D3.1@4762.72,3871.74
NetD4_1: D4.1 R8.2 | length 155.7
  Top Layer w10: R8.2 4435.23,1789.18 4452.76,1771.65 4492.13,1771.65 4513.97,1749.81 D4.1
NetR4_1: R4.1 U2.52 | length 120.9
  Top Layer w10: U2.52 5409.45,2747.16 5409.45,2773.39 R4.1
PHA: P7.3 R6.1 U2.42 | length 1512.2
  Top Layer w10: P7.3 4687.72,1620.79 4716.54,1649.61 4763.78,1649.61 4794.84,1680.67 R6.1 ; v1(5216.54,2543.31) 5228.35,2531.5 5241.43,2531.5 U2.42
  Bottom Layer w10: P7.3 4687.72,2014.49 v1(5216.54,2543.31)
PHB: P7.4 R5.1 U2.43 | length 1609.3
  Top Layer w10: P7.4 4587.72,1634.96 4614.84,1662.09 R5.1 ; v1(5244.09,2570.87) 5255.91,2559.06 5255.91,2544.86 U2.43
  Bottom Layer w10: P7.4 4587.72,2012.91 5169.29,2594.49 5220.47,2594.49 v1(5244.09,2570.87)
PTA18DN: U2.50 Y2.3 | length 145.1
  Top Layer w10: U2.50 5447.11,2669.29 5464.96,2669.29 Y2.3
PTA18FN: U1.72 Y1.3 | length 155
  Top Layer w10: U1.72 4057.84,2799.21 4106.22,2799.21 Y1.3
PWM1: P5.2 U2.38 | length 1542.6
  Top Layer w10: P5.2 4170,1729.06 4917.32,2476.38 5185.2,2476.38 U2.38
PWM2: P5.4 U2.39 | length 1767.5
  Top Layer w10: P5.4 3970,1729.84 4535.43,2295.28 4708.66,2295.28 4909.45,2496.06 5193.35,2496.06 U2.39
RCLK: P8.21 U1.125 | length 624.4
  Top Layer w10: P8.21 3137.72,3202.15 U1.125
RESET: C6.2 K1.2 R2.1 U1.74 | length 2898.4
  Top Layer w10: v1(3952.76,2834.65) 3954.3,2834.65 U1.74 4089.36,2969.7 ; R2.1 4055.75,3003.72 C6.2
  Top Layer w15: K1.2 1837.17,3497.48 1881.89,3452.76 v1(1881.89,3236.22)
  Bottom Layer w15: v1(1881.89,3236.22) 2228.35,2889.76 3897.64,2889.76 v1(3952.76,2834.65)
RUN_DN: D2.2 U2.70 | length 1302.2
  Top Layer w10: U2.70 5122.49,2961.07 v1(5224.41,3062.99) ; v1(5311.02,3149.61) 5444.88,3283.46 6185.04,3283.46 6222.09,3246.42 D2.2
  Bottom Layer w10: v1(5224.41,3062.99) v1(5311.02,3149.61)
RUN_FN: D1.2 U1.103 | length 2770.4
  Top Layer w10: U1.103 3654.85,3342.52 v1(4940.94,3342.52) ; v1(5716.54,3342.52) 5885.83,3511.81 6188.98,3511.81 6221.61,3479.17 D1.2
  Bottom Layer w10: v1(4940.94,3342.52) v1(5716.54,3342.52)
SCCB_SCL: P8.6 U1.10 | length 1271.1
  Top Layer w10: P8.6 2842.44,2913.46 2927.17,2828.74 3013.78,2828.74 3098.43,2744.09 3098.43,2674.74 U1.10
SCCB_SDA: P8.5 U1.9 | length 1257.8
  Top Layer w10: P8.5 2822.76,2905.59 2919.29,2809.06 3005.91,2809.06 3082.43,2732.54 3082.43,2686.58 U1.9
SD_3.3V: C45.1 C46.2 FB3.1 TF1.4 | length 676.4
  Top Layer w25: C45.1 2000.32,2294.96 2077.87,2217.4 TF1.4 ; C45.1@2004,2593.32 C46.2 ; C46.2@2100.7,2592.94 FB3.1
SDHC_CLK: TF1.5 U1.3 | length 1007.1
  Top Layer w10: TF1.5 2489.52,2260.71 U1.3
SDHC_CMD: R11.1 TF1.3 U1.4 | length 1546.1
  Top Layer w10: TF1.3 2377.95,2174.09 ; v1(2377.95,2216.54) 2377.95,2174.09 ; R11.1 2470.55,2545.2 2488.19,2527.56 v1(2488.19,2488.19) ; U1.4 2430.75,2174.09 2377.95,2174.09
  Bottom Layer w10: v1(2377.95,2216.54) 2417.32,2216.54 2488.19,2287.4 v1(2488.19,2488.19)
SDHC_D0: R10.1 TF1.7 U1.2 | length 1303.2
  Top Layer w10: TF1.7 2377.95,2347.32 ; v1(2377.95,2362.2) 2377.95,2347.32 ; R10.1 2378.43,2523.15 2413.39,2488.19 v1(2444.88,2488.19) ; U1.2 2548.3,2347.32 2377.95,2347.32
  Bottom Layer w10: v1(2377.95,2362.2) 2413.39,2362.2 2444.88,2393.7 v1(2444.88,2488.19)
SDHC_D1: R9.1 TF1.8 U1.1 | length 1138.5
  Top Layer w10: TF1.8 2563.77,2390.63 U1.1 ; 2286.61,2391.42 R9.1
SDHC_D2: R13.1 TF1.1 U1.8 | length 1800.6
  Top Layer w10: TF1.1 2154.11,2087.77 2377.95,2087.77 ; v1(2377.95,2102.36) 2377.95,2087.77 ; v1(2574.8,2488.19) 2606.3,2488.19 2654.49,2536.38 R13.1 ; U1.8 2996.06,2628.06 2996.06,2598.43 2485.41,2087.77 2377.95,2087.77
  Bottom Layer w10: v1(2377.95,2102.36) 2421.26,2102.36 2574.8,2255.91 v1(2574.8,2488.19)
SDHC_D3: R12.1 TF1.2 U1.7 | length 1675.6
  Top Layer w10: TF1.2 2377.95,2130.79 ; v1(2377.95,2145.67) 2377.95,2130.79 ; v1(2531.5,2488.19) 2531.5,2523.62 2562.68,2554.8 R12.1 ; U1.7 2976.38,2636.21 2976.38,2605.47 2501.7,2130.79 2377.95,2130.79
  Bottom Layer w10: v1(2377.95,2145.67) 2421.26,2145.67 2531.5,2255.91 v1(2531.5,2488.19)
SWD_CLK: P2.2 U1.50 | length 2609.7
  Top Layer w10: U1.50 3755.91,2416.93 3755.91,2389.76 v1(3779.53,2366.14)
  Bottom Layer w10: v1(3779.53,2366.14) 3811.02,2334.65 4681.1,2334.65 4984.25,2637.8 5653.54,2637.8 5921.57,2369.76 P2.2
SWD_DIO: P2.4 U1.53 | length 2509.9
  Top Layer w10: U1.53 3791.34,2465.01 3791.34,2409.45 v1(3807.09,2393.7)
  Bottom Layer w10: v1(3807.09,2393.7) 3826.77,2374.02 4649.61,2374.02 4956.69,2681.1 5854.33,2681.1 5945.2,2590.24 P2.4
SWDCLK_DN: P4.2 U2.34 | length 1094.3
  Top Layer w10: U2.34 v1@5208.66,2341.56
  Bottom Layer w10: v1(5208.66,2342.52) 5405.51,2145.67 5862.2,2145.67 5901.57,2106.3 5901.57,2003.94 5943.62,1961.89 P4.2
SWDIO_DN: P4.4 U2.37 | length 925.7
  Top Layer w10: U2.37 5244.09,2389.64 v1(5244.09,2370.08)
  Bottom Layer w10: v1(5244.09,2370.08) 5431.81,2182.36 P4.4
VSYNC: P8.19 U1.126 | length 648.9
  Top Layer w10: P8.19 3098.35,3213.68 U1.126
pads on no net: P1.3 P7.5 P8.1 P8.2 P8.15 P8.16 P8.17 P8.18 P8.20 P8.22 P8.23 P8.24 TF1. TF1.9 U1.13 U1.14 U1.15 U1.19 U1.20 U1.21 U1.22 U1.23 U1.24 U1.25 U1.26 U1.27 U1.28 U1.29 U1.30 U1.35 U1.36 U1.38 U1.39 U1.40 U1.41 U1.45 U1.46 U1.47 U1.48 U1.49 U1.51 U1.52 U1.54 U1.55 U1.58 U1.59 U1.60 U1.61 U1.62 U1.63 U1.64 U1.65 U1.68 U1.69 U1.73 U1.75 U1.76 U1.77 U1.78 U1.79 U1.80 U1.81 U1.82 U1.83 U1.84 U1.85 U1.86 U1.87 U1.88 U1.89 U1.90 U1.97 U1.98 U1.99 U1.100 U1.101 U1.102 U1.104 U1.105 U1.106 U1.109 U1.110 U1.111 U1.112 U1.113 U1.114 U1.118 U1.119 U1.120 U1.123 U1.124 U1.130 U1.133 U1.136 U2.1 U2.2 U2.3 U2.4 U2.5 U2.6 U2.7 U2.10 U2.11 U2.12 U2.13 U2.14 U2.15 U2.16 U2.17 U2.18 U2.19 U2.20 U2.21 U2.27 U2.28 U2.29 U2.32 U2.33 U2.35 U2.36 U2.44 U2.45 U2.46 U2.47 U2.49 U2.51 U2.53 U2.54 U2.55 U2.56 U2.57 U2.58 U2.59 U2.62 U2.63 U2.65 U2.66 U2.67 U2.68 U2.69 U2.71 U2.72 U2.73 U2.80 U2.81 U2.82 U2.83 U2.84 U2.85 U2.86 U2.87 U2.90 U2.91 U2.92 U2.93 U2.94 U2.95 U2.96 U2.97 U2.98 U2.99 U2.100 U3.2 U4.2 U5.2 U6.4 U7.2 U7.3 U7.4 U7.5 U7.6 U7.7 U7.14 U7.15 U7.16 U7.17 U7.19 U7.21 U7.22 Y1.1 Y2.1
copper on no net:
  other v3: 1725,2055 1725,2370

## Polygon pours and split planes (outlines as drawn)
3.3V_FN on Top Layer "GND-No Net" (solid, remove dead copper, pour order 1000): 2883.7,1980 2807.09,1903.39 2807.09,1893.7 2807.09,1842.52 2767.72,1803.15 2809.53,1761.34 2841.5,1761.34 2875.51,1761.34 2917.32,1803.15 2960.63,1846.46 2960.63,1897.64 2960.63,1903.07 2883.7,1980
GND on Top Layer "GND-No Net" (solid, remove dead copper, pour order 1001): 1582.52,3735.63 1595.47,3812.99 1640.75,3875.98 1703.74,3919.29 1779.37,3932.48 6287.24,3932.48 6358.27,3919.29 6421.26,3879.92 6466.54,3817.91 6484.09,3735.63 6484.09,1570.27 6472.44,1495.08 6424.21,1426.18 6361.22,1384.84 6287.24,1373.42 1779.37,1373.42 1709.65,1382.87 1637.8,1429.13 1597.44,1497.05 1582.52,1570.27
GND on Bottom Layer "GND-No Net" (solid, remove dead copper, pour order 1002): 1582.52,3735.63 1596.46,3812.01 1640.75,3876.97 1705.71,3918.31 1779.37,3932.48 6287.24,3932.48 6362.2,3918.31 6427.17,3876.97 6468.5,3812.01 6484.09,3735.63 6484.09,1570.27 6470.47,1495.08 6421.26,1425.2 6361.22,1385.83 6287.24,1373.42 1779.37,1373.42 1779.37,1373.43 1706.69,1382.87 1637.8,1430.12 1596.46,1496.06 1582.52,1570.27

## Keep-outs
Keep-Out Layer:
  lines w10: 1582.52,1570.27 ccw(c1779.37,1570.27) 1779.37,1373.42 6287.24,1373.42 ccw(c6287.24,1570.27) 6484.09,1570.27 6484.09,1570.28 6484.09,3735.63 ccw(c6287.24,3735.63) 6287.24,3932.48 1779.37,3932.48 ccw(c1779.37,3735.63) 1582.52,3735.63 1582.52,1570.27

## Other copper
Top Layer:
  text "天科-新电五队" at 3783.46,3830.71 h78.74

## Silkscreen, mask and mechanical layers (free items; w line width, h text height)
Top Overlay:
  text "LOGIC RUN" at 5921.26,3492.13 h118.11
  text "CTRL RUN" at 5917.32,3255.91 h118.11
Top Solder:
  drawing of 1317 lines, arcs and shapes, not listed
  text "Main Control Board 2016.03" at 1929.13,3775.59 h80 r270
  text "新电五队" at 2023.62,3472.44 h130 r270
  text "天津科技大学" at 2169.29,3468.5 h70 r270